# Altium PCB Copy of master.PcbDoc (part 4 of 7) (continued)
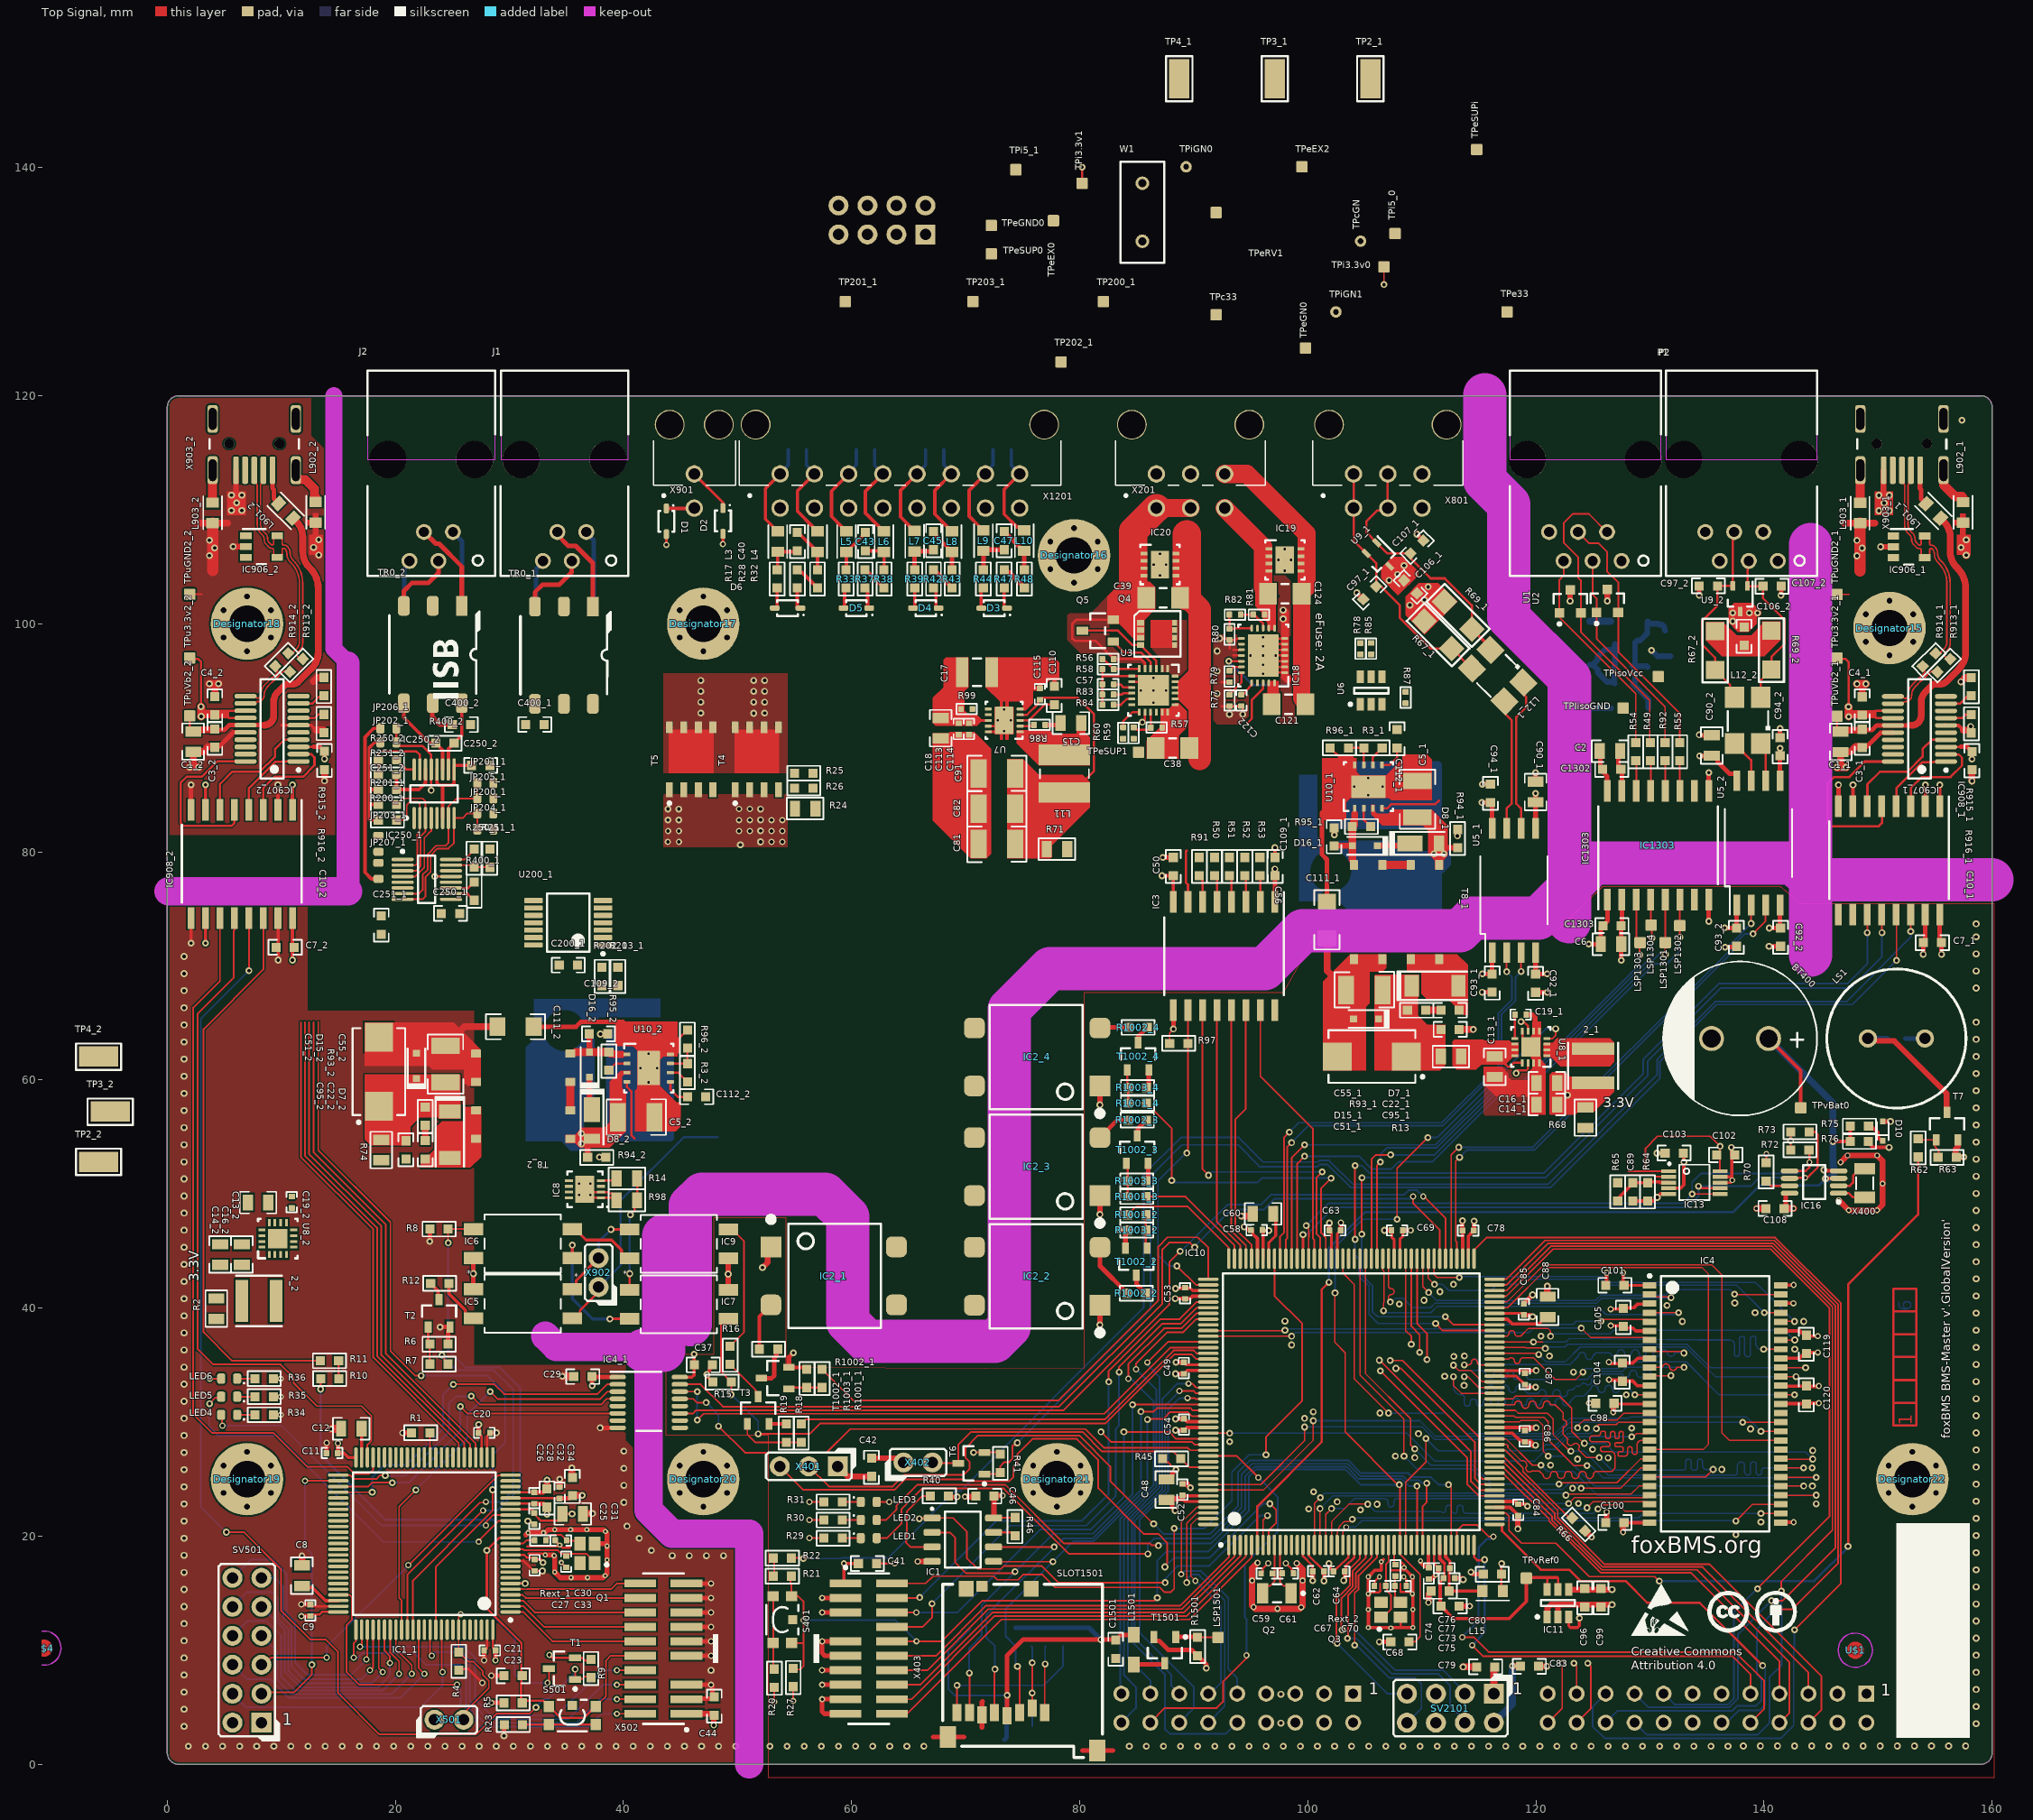
[diagram p0: Top Signal view]
## Nets (pads, with @x,y where several pads share a name; then routed paths per layer and width w, separated by ;. In a path a pad name is that pad's centre, name@x,y a point inside that pad or via, vN(x,y) a via of type N, cw(c..) or ccw(c..) an arc to the next point about the centre after c; other vN are vias at no path point) (continued)
  Bottom Signal w0.152: v1(22.259,34.07) 28.089,34.07 29.62,32.54 29.62,28.192 28.519,27.09 v1(28.519,24.07)
BMS-INTERFACE_1_SPI_CS: IC1_1.29 U200_2.4 U200_2.5 | length 44.1
  Top Signal w0.152: 12.813,65.077 12.813,53.681 19.141,47.353 19.141,36.026 27.043,28.125 IC1_1.29@27.043,26.904
BMS-INTERFACE_1_SPI_MISO: IC1_1.31 IC250_3.3 IC250_4.3 R201_2.1 | length 44
  Top Signal w0.152: 12.068,65.077 12.068,53.367 18.393,47.043 18.393,35.809 26.043,28.159 IC1_1.31@26.043,26.904
BMS-INTERFACE_1_SPI_MOSI: IC1_1.32 IC250_3.2 IC250_4.2 R200_2.1 | length 43.9
  Top Signal w0.152: 11.711,65.077 11.711,53.236 18.047,46.9 18.047,35.666 25.542,28.171 IC1_1.32@25.542,26.904
BMS-INTERFACE_1_SPI_SCK: IC1_1.30 IC250_3.4 IC250_4.4 | length 44
  Top Signal w0.152: 12.424,65.077 12.424,53.532 18.76,47.196 18.76,35.869 26.542,28.086 IC1_1.30@26.542,26.904
BOOT_0_MCU_0: IC10.166 R45.2 T6.3 X402.2 | length 27.6
  Top Signal w0.152: X402.2@67.088,26.465 67.163,26.39 T6.3@69.347,26.39 69.347,28 70.487,29.14 80.252,29.14 81.964,27.428 88.222,27.428 R45.2@88.86,26.79 89.616,26.034 IC10.166@91.273,26.034
BOOT_0_MCU_1: IC1_1.94 R4.2 T1.3 X501.2 | length 25
  Top Signal w0.152: R4.2@25.559,9.735 R4.2@25.559,9.835 ; v2(25.717,13.163) 25.542,12.988 IC1_1.94@25.542,11.804 25.542,10.203 25.559,10.187 R4.2@25.559,9.835 ; X501.2@25.97,3.905 26.276,4.211 26.276,4.769 28.193,6.686 28.193,7.312 27.674,7.831 27.674,8.163 26.828,9.01 26.384,9.01 R4.2@25.559,9.835 ; v2(33.337,7.13) 33.457,7.25 T1.3@33.457,8.4
  Bottom Signal w0.152: v2(25.717,13.163) 28.416,13.163 30.48,11.099 30.48,7.924 31.274,7.13 v2(33.337,7.13)
C\S\_\F\W\_1: IC250_1.5 TP200_1.1 U200_1.8
C\S\_\F\W\_2: IC250_3.5 TP200_2.1 U200_2.8
C\S\_\R\V\_1: IC250_2.5 TP201_1.1 U200_1.11
C\S\_\R\V\_2: IC250_4.5 TP201_2.1 U200_2.11
CAN_0_H: C97_1.1 L12_1.3 R67_1.2 U9_1.2 X801.1 X801.4 | length 22.7
  Top Signal w0.2: X801.1@104.01,113.14 X801.4@104.01,110.14 104.01,107.292 U9_1.2@105.121,106.181 105.987,105.314 C97_1.1@105.987,103.276 106.406,103.276 108.047,101.636 108.047,100.522 110.733,97.836 R67_1.2@112.62,97.836 114.375,96.081 L12_1.3@114.392,96.081
CAN_0_L: C107_1.1 L12_1.2 R69_1.1 U9_1.1 X801.2 X801.5 | length 23.1
  Top Signal w0.2: X801.2@107.01,113.14 X801.5@107.01,110.14 106.819,109.949 106.099,109.949 105.139,108.989 105.139,108.001 U9_1.1@106.04,107.1 106.979,106.161 C107_1.1@109.002,106.161 109.002,105.744 110.764,103.981 112.014,103.981 114.388,101.607 R69_1.1@114.388,99.534
  Top Signal w0.305: R69_1.1@114.388,99.534 116.018,97.904 L12_1.2@116.018,97.707
CAN_0_MCU_1_RX: IC1_1.91 SV501.4 | length 24.4
  Top Signal w0.152: IC1_1.91@24.043,11.604 24.043,8.17 v2(24.13,8.083)
  Bottom Signal w0.152: SV501.4@5.715,6.19 6.913,4.992 22.231,4.992 24.13,6.891 v2(24.13,8.083)
CAN_0_MCU_1_TX: IC1_1.52 SV501.3 | length 25.5
  Top Signal w0.152: SV501.3@8.255,6.19 8.369,6.304 11.111,6.304 12.672,7.865 v1(12.672,8.73) ; v2(12.065,24.849) 14.988,24.849 IC1_1.52@14.993,24.854 IC1_1.52@14.792,24.854
  Bottom Signal w0.152: v2(12.065,24.849) 12.065,19.058 12.672,18.45 v1(12.672,8.73)
CAN_0_RX: IC10.122 U5_1.3 | length 42.3
  Top Signal w0.152: IC10.122@98.072,44.334 98.072,45.99 98.183,46.101 98.183,54.097 v1(98.582,54.497) ; v1(118.696,69.517) 118.699,69.52 U5_1.3@118.699,71.165
  Bottom Signal w0.152: v1(98.582,54.497) 100.085,56 111.859,56 116.968,61.108 116.968,65.746 118.213,66.991 118.213,69.034 v1(118.696,69.517)
CAN_0_TRANS_STANDBY_CONTROL: IC10.141 | length 0
  Top Signal w0.152: IC10.141@91.072,38.534 IC10.141@91.09,38.516
CAN_0_TX: IC10.123 U5_1.2 | length 42.8
  Top Signal w0.152: IC10.123@97.573,44.334 97.573,46.265 97.913,46.605 97.913,54.953 v1(98.38,55.419) ; v1(117.429,69.496) U5_1.2@117.429,71.165
  Bottom Signal w0.152: v1(98.38,55.419) 99.212,56.252 111.755,56.252 116.716,61.213 116.716,65.85 117.905,67.04 117.905,69.02 v1(117.429,69.496)
CAN_1_H: C97_2.1 L12_2.3 P1.4 R67_2.2 U9_2.2 | length 17.6
  Top Signal w0.2: P1.4@137.389,108.052 137.258,107.921 U9_2.2@137.258,103.318 C97_2.1@135.919,103.318 135.919,101.599 134.569,100.25 134.569,98.174 135.712,97.031 R67_2.2@135.712,95.953 137.004,94.661 137.004,93.966 L12_2.3@137.417,93.553
CAN_1_L: C107_2.1 L12_2.2 P1.3 R69_2.1 U9_2.1 | length 15
  Top Signal w0.2: P1.3@138.659,105.512 138.558,105.411 U9_2.1@138.558,103.318 138.578,103.298 C107_2.1@139.904,103.298 139.904,102.246 141.807,100.343 141.807,98.246 140.646,97.085 R69_2.1@140.646,95.99 139.717,95.061 L12_2.2@139.717,93.553
CAN_1_RX: IC10.92 U5_2.3 | length 46.2
  Top Signal w0.152: IC10.92@113.073,44.334 113.073,45.786 112.966,45.893 112.966,52.879 v1(113.304,53.217) ; v1(139.033,72.815) 139.297,73.079 139.297,73.102 140.137,73.942 U5_2.3@140.137,75.333
  Bottom Signal w0.152: v1(113.304,53.217) 113.932,53.845 119.845,53.845 137.336,71.336 137.336,71.833 138.319,72.815 v1(139.033,72.815)
CAN_1_TRANS_STANDBY_CONTROL: IC10.165
CAN_1_TX: IC10.93 U5_2.2 | length 45.7
  Top Signal w0.152: IC10.93@112.572,44.334 112.572,53.438 v1(113.232,54.097) ; v1(138.867,73.72) U5_2.2@138.867,75.333
  Bottom Signal w0.152: v1(113.232,54.097) 119.741,54.097 137.084,71.44 137.084,71.937 v1(138.867,73.72)
COM_EXT_ISO_EN: R89.1 U4.5 U6.4
CONTACTOR_0_COIL_POS: D1001_1.1 IC2_1.3 X1201.9
CONTACTOR_0_CONTROL: IC10.133 R1001_1.2 | length 46.8
  Top Signal w0.152: R1001_1.2@57.415,34.631 60.146,31.901 78.119,31.901 86.89,40.672 86.89,45.389 87.704,46.202 90.348,46.202 91.273,45.278 IC10.133@91.273,42.534
CONTACTOR_0_FEEDBACK: IC3.12 IC10.130 | length 22.4
  Top Signal w0.152: IC3.12@92.028,66.111 92.028,47.568 94.063,45.533 94.063,44.543 IC10.130@94.072,44.534
CONTACTOR_0_FEEDBACK_EXT: R28.1 R32.1 | length 2.4
  Top Signal w0.3: R28.1@55.239,104.737 55.489,104.487 55.657,104.487 R32.1@57.007,103.137
CONTACTOR_1_COIL_POS: D1001_2.1 IC2_2.3 X1201.11
CONTACTOR_1_CONTROL: IC10.132 R1001_2.2 | length 11.6
  Top Signal w0.152: R1001_2.2@84.204,48.184 84.946,48.925 89.43,48.925 93.057,45.298 93.057,44.35 IC10.132@93.073,44.334
CONTACTOR_1_FEEDBACK: IC3.13 IC10.129 | length 22.1
  Top Signal w0.152: IC3.13@93.298,66.111 93.298,46.76 94.573,45.485 IC10.129@94.573,44.534
CONTACTOR_1_FEEDBACK_EXT: R37.1 R38.1 | length 2.3
  Top Signal w0.3: R37.1@61.176,104.737 61.426,104.487 61.488,104.487 R38.1@62.838,103.137
CONTACTOR_2_COIL_POS: D1001_3.1 IC2_3.3 X1201.13
CONTACTOR_2_CONTROL: IC10.131 R1001_3.2 | length 10.7
  Top Signal w0.152: R1001_3.2@85.805,49.779 89.286,49.779 93.572,45.492 IC10.131@93.572,44.334
CONTACTOR_2_FEEDBACK: IC3.14 IC10.128 | length 22.8
  Top Signal w0.152: IC3.14@94.568,66.111 94.568,57.467 93.635,56.533 93.635,46.973 95.073,45.535 IC10.128@95.073,44.334
CONTACTOR_2_FEEDBACK_EXT: R42.1 R43.2 | length 2.3
  Top Signal w0.4: R42.1@67.177,104.75 67.377,104.55 67.409,104.55 R43.2@68.809,103.15
CONTACTOR_3_COIL_POS: D1001_4.1 IC2_4.3 X1201.15
CONTACTOR_3_CONTROL: IC10.115 R1001_4.2 | length 29.5
  Top Signal w0.152: R1001_4.2@85.864,57.963 88.062,55.766 v1(88.062,51.181) ; IC10.115@101.573,44.334 101.573,46.173 101.159,46.586 101.159,50.511 v1(102.038,51.39)
  Bottom Signal w0.152: v1(88.062,51.181) 88.183,51.181 88.366,50.998 95.568,50.998 95.96,51.39 v1(102.038,51.39)
CONTACTOR_3_FEEDBACK: IC3.15 IC10.117 | length 23.5
  Top Signal w0.152: IC3.15@95.838,66.111 95.838,60.315 100.457,55.696 100.457,46.101 100.573,45.985 IC10.117@100.573,44.534
CONTACTOR_3_FEEDBACK_EXT: R47.2 R48.1 | length 2.4
  Top Signal w0.4: R47.2@73.373,104.75 73.573,104.55 73.775,104.55 R48.1@75.145,103.181
CONTACTOR_5_CONTROL: IC10.111
CONTACTOR_5_FEEDBACK: IC10.150
CONTACTOR_6_CONTROL: IC10.139 JP2201.17 | length 40.1
  Top Signal w0.152: v2(84.257,33.796) 84.257,35.078 87.4,38.221 88.925,38.221 90.238,39.534 IC10.139@91.273,39.534
  Bottom Signal w0.152: JP2201.17@83.65,6.19 83.555,6.285 83.555,21.532 86.482,24.459 86.482,31.845 84.531,33.796 v2(84.257,33.796)
CONTACTOR_6_FEEDBACK: IC10.140 JP2201.18 | length 42.7
  Top Signal w0.152: v2(84.938,34.642) 84.938,35.116 87.705,37.884 89.086,37.884 90.236,39.034 IC10.140@91.273,39.034
  Bottom Signal w0.152: JP2201.18@83.65,3.65 84.933,4.933 84.933,6.752 83.872,7.813 83.872,21.492 86.734,24.354 86.734,32.846 v2(84.938,34.642) ; v2(84.938,34.642) 84.863,34.717 84.938,34.791 v2(84.938,34.642)
CONTACTOR_7_CONTROL: IC10.144 JP2201.15 | length 37.3
  Top Signal w0.152: v2(85.937,35.239) 87.731,37.034 IC10.144@91.072,37.034
  Bottom Signal w0.152: v2(85.937,35.239) 85.937,35.034 86.987,33.984 86.987,24.25 84.229,21.492 84.229,9.309 86.19,7.348 JP2201.15@86.19,6.19
CONTACTOR_7_FEEDBACK: IC10.164 JP2201.16 | length 34.8
  Top Signal w0.152: JP2201.16@86.19,3.65 87.468,4.928 92.013,4.928 92.572,5.487 92.572,7.239 94.615,9.282 v2(94.615,9.55) ; IC10.164@91.073,27.034 IC10.164@91.273,27.034 93.774,27.034 v2(95.668,25.14)
  Bottom Signal w0.152: v2@94.615,9.754 94.615,12.742 94.467,12.89 94.467,17.508 97.35,20.39 97.35,23.458 v2(95.668,25.14)
CONTACTOR_8_CONTROL: IC10.44 JP2202.9 | length 37.2
  Top Signal w0.152: v2(114.403,10.439) 115.368,9.474 137.248,9.474 138.812,7.91 JP2202.9@138.812,6.19
  Top Signal w0.2: IC10.44@114.572,19.234 114.572,18.168 114.847,17.893 115.451,17.893 v1(115.496,17.938)
  Bottom Signal w0.2: v2(114.403,10.439) 115.496,11.533 v1(115.496,17.938)
CONTACTOR_8_FEEDBACK: IC10.45 JP2202.12 | length 37.6
  Top Signal w0.2: IC10.45@116.372,21.034 116.976,21.034 117.022,20.988 117.022,20.46 120.424,17.058 122.912,17.058 123.903,16.068 127.846,16.068 129.75,14.164 134.363,14.164 v1(139.878,8.65)
  Bottom Signal w0.15: JP2202.12@135.813,3.191 JP2202.12@136.272,3.65 136.695,3.65 137.77,4.724 139.607,4.724 140.106,5.224 140.106,8.421 v1(139.878,8.65)
CONTACTOR_gnd: C38.1 C39.1 C57.2 D1.2 D2.2 IC20.5 IC20.6 IC20.7 IC20.8 R24.1 R58.1 R59.1 R60.1 R83.1 R84.1 SV901.4 SV901.6 SV901.8 T4.1 T4.2 T4.3 T5.1 T5.2 T5.3 U3.7 U3.8 U3.20 U3.21 U3.22 U3.23 U3.25 W1.1 X201.1 X201.2 | length 32.3
  Top Signal w0.2: R84.1@81.987,92.889 81.987,95.443 ; R58.1@81.987,96.012 81.987,95.443 ; U3.8@84.567,94.916 85.217,94.916 U3.25@86.149,93.984 ; U3.25@86.149,93.848 U3.25@86.149,93.984 ; 81.987,95.443 82.014,95.416 U3.7@84.567,95.416 84.978,95.416 84.986,95.409 85.217,95.409 86.149,94.477 U3.25@86.149,93.984
  Top Signal w0.203: D1.2@43.754,107.846 D1.2@43.78,107.873
  Top Signal w0.254: v2(43.754,106.92) D1.2@43.754,107.846 ; v2(48.717,106.985) D2.2@48.717,107.892
  Top Signal w2: C39.1@89.383,102.42 90.526,101.277 90.526,88.162
  Top Signal w2.5: C39.1@89.383,102.42 89.383,107.841
CONTACTOR_SUPPLY_FAULT: IC3.11 IC10.116 | length 32.5
  Top Signal w0.152: IC3.11@90.758,66.111 90.758,52.185 v1(91.296,51.646) ; IC10.116@101.072,44.534 101.072,46.185 100.75,46.508 100.75,51.433 v1(101.26,51.943)
  Bottom Signal w0.152: v1(91.296,51.646) 91.593,51.943 v1(101.26,51.943)
CONTACTOR_SUPPLY_FAULT_EXT: IC3.6 R91.1 U3.14 | length 3.4
  Top Signal w0.2: v1(85.483,91.365) 85.717,91.6 U3.14@85.717,92.266 ; R91.1@90.483,77.913 90.683,77.713 90.683,77.554 90.758,77.479 IC3.6@90.758,75.611
CONTACTOR_SUPPLY_SHDN: IC3.10 IC10.134 R97.2 | length 28.1
  Top Signal w0.152: v1@88.46,43.691 v1(88.518,43.691) 88.539,43.691 90.196,42.034 IC10.134@91.273,42.034 ; v1(89.382,53.594) 89.467,53.679 89.467,53.889 89.485,53.907 R97.2@89.485,63.208 89.488,63.211 IC3.10@89.488,66.111
  Bottom Signal w0.152: v1(88.518,43.691) 87.851,43.691 86.86,44.681 86.86,51.148 89.306,53.594 v1(89.382,53.594)
CONTACTOR_SUPPLY_SHDN_EXT: IC3.7 U3.12 | length 4.6
  Top Signal w0.2: 89.383,80.124 89.306,80.047 89.306,77.312 89.488,77.13 IC3.7@89.488,75.611
CONTACTORS_COMMON_NEG: D1001_1.2 D1001_2.2 D1001_3.2 D1001_4.2 T4.5 T4.6 T4.7 T4.8 T5.5 T5.6 T5.7 T5.8 X1201.10 X1201.12 X1201.14 X1201.16
  other v1: 51.413,92.151 46.773,92.177 52.378,92.177 46.773,93.129 51.413,93.129 52.378,93.129 46.773,94.082 51.413,94.082 52.378,94.082 46.773,95.034 51.413,95.034 52.378,95.034
CS_1: TP202_1.1 U200_1.6 U200_1.10 U200_1.13
CS_2: TP202_2.1 U200_2.6 U200_2.10 U200_2.13
D\I\R\_1: TP203_1.1 U200_1.3 U200_1.12
D\I\R\_2: TP203_2.1 U200_2.3 U200_2.12
D_1_N: IC906_1.5 R913_1.2 X903_1.2 | length 20.6
  Top Signal w0.14: X903_1.2@152.871,113.448 152.871,112.669 cw(c152.437,112.669) 152.744,112.363 ccw(c153.05,112.056) 152.617,112.056 152.617,108.785 ccw(c153.669,108.785) 152.925,108.041 153.059,107.908 cw(c152.637,107.486) 153.233,107.486 153.233,107.483 ccw(c153.821,107.483) 153.405,107.067 153.536,106.936 ccw(c153.635,107.035) 153.635,106.895 ; 153.635,106.895 ccw(c153.635,107.035) 153.734,106.936 ccw(c153.635,107.035) 153.775,107.035 153.775,107.377 cw(c153.997,107.377) 153.84,107.534 cw(c153.997,107.377) 153.997,107.599 IC906_1.5@154.182,107.599 ; IC906_1.5@154.082,107.699 154.12,107.699 cw(c154.12,107.306) 154.258,107.674 cw(c154.12,107.306) 154.398,107.584 cw(c154.12,107.306) 154.513,107.306 154.513,107.035 ccw(c154.652,107.035) 154.554,106.936 ccw(c154.652,107.035) 154.652,106.895 154.654,106.895 ; 154.654,106.895 cw(c154.654,106.467) 154.957,106.77 154.98,106.746 cw(c154.393,106.159) 155.224,106.159 ccw(c156.055,106.159) 155.467,105.571 155.492,105.547 cw(c153.491,103.546) 156.32,103.546 156.32,98.291 cw(c155.44,98.291) 156.062,97.668 155.882,97.488 ccw(c156.071,97.3) 155.804,97.3 ccw(c156.071,97.3) 155.882,97.111 156.085,96.909 ccw(c156.266,97.089) R913_1.2@156.266,96.834
  Top Signal w0.152: IC906_1.5@154.12,107.699 154.282,107.699 154.258,107.674 IC906_1.5@154.182,107.599
D_1_P: IC906_1.4 R914_1.2 X903_1.3 | length 20.2
  Top Signal w0.14: X903_1.3@152.071,113.448 152.071,112.669 ccw(c152.504,112.669) 152.198,112.363 cw(c151.891,112.056) 152.325,112.056 152.325,108.664 ccw(c153.377,108.664) 152.633,107.92 152.766,107.787 cw(c152.345,107.365) 152.941,107.365 ccw(c153.537,107.365) 153.116,106.944 153.373,106.687 ccw(c153.575,106.889) 153.575,106.603 ; 153.575,106.603 153.635,106.603 ; 153.635,106.603 cw(c153.635,106.463) 153.734,106.562 cw(c153.635,106.463) 153.775,106.463 153.775,106.196 ccw(c154.335,106.196) IC906_1.4@153.939,105.799 ; IC906_1.4@154.082,105.799 154.12,105.799 ccw(c154.12,106.192) 154.398,105.914 ccw(c154.12,106.192) 154.513,106.192 154.513,106.463 cw(c154.652,106.463) 154.554,106.562 cw(c154.652,106.463) 154.652,106.603 cw(c154.652,106.463) 154.751,106.562 cw(c154.315,106.126) 154.932,106.126 ccw(c155.977,106.126) 155.238,105.388 155.284,105.341 cw(c153.488,103.545) 156.028,103.545 156.028,98.412 cw(c155.147,98.412) 155.77,97.789 155.535,97.554 ccw(c155.591,97.498) 155.512,97.498 cw(c155.434,97.498) 155.489,97.443 cw(c155.194,97.738) 155.194,97.321 154.982,97.321 R914_1.2@154.974,97.329
  Top Signal w0.152: IC906_1.4@154.082,105.799 153.939,105.799 IC906_1.4@154.082,105.943
D_2_N: IC906_2.5 R913_2.2 X903_2.2 | length 20.6
  Top Signal w0.14: X903_2.2@8.425,113.464 8.425,112.686 cw(c7.991,112.686) 8.298,112.379 ccw(c8.605,112.072) 8.171,112.072 8.171,108.802 ccw(c9.223,108.802) 8.479,108.058 8.613,107.924 cw(c8.191,107.503) 8.787,107.503 8.787,107.499 ccw(c9.375,107.499) 8.959,107.084 9.091,106.953 ccw(c9.189,107.051) 9.189,106.912 ccw(c9.189,107.051) 9.288,106.953 ccw(c9.189,107.051) 9.329,107.051 9.329,107.393 cw(c9.551,107.393) 9.394,107.551 cw(c9.551,107.393) 9.551,107.616 IC906_2.5@9.737,107.616 ; IC906_2.5@9.637,107.716 9.674,107.716 cw(c9.674,107.323) 9.812,107.691 cw(c9.674,107.323) 9.952,107.601 cw(c9.674,107.323) 10.067,107.323 10.067,107.051 ccw(c10.206,107.051) 10.108,106.953 ccw(c10.206,107.051) 10.206,106.912 10.208,106.912 cw(c10.208,106.484) 10.511,106.786 10.535,106.762 cw(c9.947,106.175) 10.778,106.175 ccw(c11.609,106.175) 11.021,105.587 11.046,105.563 cw(c9.045,103.562) 11.874,103.562 11.874,98.307 cw(c10.994,98.307) 11.617,97.684 11.437,97.504 ccw(c11.625,97.316) 11.359,97.316 ccw(c11.625,97.316) 11.437,97.128 11.639,96.925 ccw(c11.82,97.106) R913_2.2@11.82,96.85
  Top Signal w0.152: IC906_2.5@9.674,107.716 9.837,107.716 9.812,107.691 IC906_2.5@9.737,107.616
D_2_P: IC906_2.4 R914_2.2 X903_2.3 | length 20.2
  Top Signal w0.14: X903_2.3@7.625,113.464 7.625,112.686 ccw(c8.058,112.686) 7.752,112.379 cw(c7.445,112.072) 7.879,112.072 7.879,108.681 ccw(c8.931,108.681) 8.187,107.937 8.321,107.803 ; 8.321,107.803 cw(c7.899,107.382) 8.495,107.382 ccw(c9.091,107.382) 8.67,106.96 8.927,106.703 ccw(c9.129,106.905) 9.129,106.62 9.189,106.62 cw(c9.189,106.48) 9.288,106.579 cw(c9.189,106.48) 9.329,106.48 9.329,106.212 ccw(c9.889,106.212) IC906_2.4@9.493,105.816 ; IC906_2.4@9.637,105.816 9.674,105.816 ccw(c9.674,106.208) 9.952,105.931 ccw(c9.674,106.208) 10.067,106.208 10.067,106.48 cw(c10.206,106.48) 10.108,106.579 cw(c10.206,106.48) 10.206,106.62 cw(c10.206,106.48) 10.305,106.579 cw(c9.869,106.143) 10.486,106.143 ccw(c11.531,106.143) 10.792,105.404 ; R914_2.2@10.528,97.345 10.536,97.337 10.748,97.337 ccw(c10.748,97.755) 11.043,97.459 ccw(c10.988,97.515) 11.066,97.515 cw(c11.145,97.515) 11.089,97.57 11.324,97.805 ccw(c10.702,98.428) 11.582,98.428 11.582,103.561 ccw(c9.042,103.561) 10.838,105.357 10.792,105.404
  Top Signal w0.152: IC906_2.4@9.637,105.816 9.493,105.816 IC906_2.4@9.637,105.959
DATA_STORAGE_SPI_EEPROM_CS: IC1.1 IC10.7 | length 39.9
  Top Signal w0.15: v1(65.939,21.534) 65.971,21.566 67.022,21.566 IC1.1@67.055,21.599 68.913,21.599 70.099,20.412 70.099,18.083 71.055,17.127 73.101,17.127 73.367,17.394 74.119,17.394 74.123,17.398 76.647,17.398 78.154,15.891 78.193,15.93 v1(87.492,15.93) ; IC10.7@96.073,19.234 96.073,21.417 v1(96.463,21.807)
  Bottom Signal w0.15: v1(87.492,15.93) 87.492,16.276 88.61,17.394 91.373,17.394 95.787,21.807 v1(96.463,21.807)
DATA_STORAGE_SPI_Memory_NSS: IC10.11
DATA_STORAGE_SPI_Memorycard_NSS: LSP1502.1 R1506.1 SLOT1501.2 | length 8.4
  Top Signal w0.152: SLOT1501.2@75.831,4.931 v1(75.831,8.894)
  Bottom Signal w0.152: R1506.1@75.755,10.364 75.831,10.288 v1(75.831,8.894) ; LSP1502.1@75.831,3.341 v1(75.831,6.256)
DATA_STORAGE_SPI_MISO: IC1.2 IC10.155 LSP1505.1 R1507.1 SLOT1501.7 | length 51.7
  Top Signal w0.152: IC1.2@67.055,20.329 68.626,20.329 69.067,19.888 69.067,17.72 70.037,16.75 74.185,16.75 v1(74.331,16.896) ; v1(70.319,8.006) 70.331,7.993 SLOT1501.7@70.331,4.531 ; v1(84.632,31.534) IC10.155@91.273,31.534
  Bottom Signal w0.152: v1(70.319,8.006) 70.319,10.192 R1507.1@70.389,10.263 71.403,11.276 71.403,13.933 77.684,20.215 81.167,20.215 84.632,23.679 v1(84.632,31.534)
DATA_STORAGE_SPI_MOSI: IC1.5 IC10.157 LSP1503.1 R1504.1 SLOT1501.3 | length 43.3
  Top Signal w0.152: IC1.5@72.455,17.789 72.483,17.761 v1(77.65,17.761) ; v1(74.534,8.593) 74.731,8.396 SLOT1501.3@74.731,4.531 ; v1@85.937,30.272 87.338,30.272 87.943,30.876 89.487,30.876 89.83,30.534 IC10.157@91.273,30.534
  Bottom Signal w0.152: R1504.1@74.372,10.331 74.372,8.876 74.534,8.714 v1(74.534,8.593) ; R1504.1@74.372,10.364 73.508,11.229 73.508,13.618 v1(77.65,17.761) 79.436,19.547 81.213,19.547 85.937,24.271 v1(85.937,30.238)
DATA_STORAGE_SPI_SCK: IC1.6 IC10.156 LSP1504.1 R1505.2 SLOT1501.5 | length 45.3
  Top Signal w0.152: IC1.6@72.467,19.071 IC1.6@72.455,19.059 v1(77.753,19.059) ; SLOT1501.5@72.531,4.531 72.531,8.303 v1(72.565,8.337) ; v1(85.37,30.925) 86.482,30.925 86.8,31.242 89.692,31.242 89.9,31.034 IC10.156@91.273,31.034
  Bottom Signal w0.152: v1(72.565,8.337) R1505.2@72.565,10.346 71.803,11.108 71.803,13.061 78.54,19.799 81.108,19.799 85.37,24.061 v1(85.37,30.925)
DEBUG_LED_0_MCU_0: IC10.35 LED1.2 | length 64.9
  Top Signal w0.15: LED1.2@62.2,19.829 63.093,19.829 64.379,21.115 64.379,22.388 66.173,24.182 73.339,24.182 79.077,18.444 v1(85.979,18.444) ; IC10.35@110.073,19.234 110.073,22.626 110.422,22.976 v1(110.422,24.64)
  Bottom Signal w0.15: v1(85.979,18.444) 85.979,19.27 86.508,19.799 91.474,19.799 94.179,22.503 94.179,25.395 95.126,26.342 103.509,26.342 104.582,25.269 108.341,25.269 108.708,24.902 109.78,24.902 110.011,24.671 110.391,24.671 v1(110.422,24.64)
DEBUG_LED_0_MCU_1: IC1_1.18 LED4.2 | length 30.6
  Top Signal w0.152: LED4.2@4.726,30.643 4.782,30.587 4.782,29.747 v2(4.839,29.69) ; v2(27.94,20.937) 27.94,21.242 28.552,21.854 IC1_1.18@30.092,21.854 IC1_1.18@30.292,21.854
  Bottom Signal w0.152: v2(4.839,29.69) 10.006,29.69 18.759,20.937 v2(27.94,20.937)
DEBUG_LED_1_MCU_0: IC10.34 LED2.2 | length 62.1
  Top Signal w0.15: LED2.2@62.2,21.417 63.015,21.417 63.929,22.331 63.929,22.657 65.789,24.517 73.468,24.517 78.605,19.379 86.13,19.379 86.299,19.211 86.718,19.211 86.718,19 v1(86.89,19.172) ; IC10.34@109.573,19.234 v1(109.573,24.4) ; v1(86.89,19.172) 86.966,19.249 87.042,19.172 v1(86.89,19.172)
  Bottom Signal w0.15: v1(86.89,19.172) 87.097,19.379 91.523,19.379 94.51,22.366 94.51,25.249 95.353,26.092 103.405,26.092 104.479,25.019 108.238,25.019 108.857,24.4 v1(109.573,24.4)
DEBUG_LED_1_MCU_1: IC1_1.17 LED5.2 | length 34.9
  Top Signal w0.152: v1(3.706,31.624) 4.237,32.155 4.651,32.155 LED5.2@4.726,32.23 ; v2(27.295,19.505) 27.295,19.581 29.068,21.354 IC1_1.17@30.092,21.354 IC1_1.17@30.293,21.354
  Bottom Signal w0.152: v1(3.706,31.624) 3.665,31.583 3.665,29.615 4.452,28.827 9.618,28.827 18.94,19.505 v2(27.295,19.505) v2@27.28,19.489
DIR_1: R202_1.1 R203_1.2 U200_1.1 U200_1.2 U200_1.9
DIR_2: R202_2.1 R203_2.2 U200_2.1 U200_2.2 U200_2.9
EN-BACKUP_1: IC250_1.1 IC250_2.1 JP203_1.1 JP207_1.2
EN-BACKUP_2: IC250_3.1 IC250_4.1 JP203_2.1 JP207_2.2
EXT_0.FAULT: IC18.22 R99.1 U7.7 | length 4.1
  Top Signal w0.2: 94.69,91.297 95.089,91.697 95.089,93.334 96.082,94.327 IC18.22@96.082,94.817
EXT_0.SHDN: IC18.14
EXT_0_GND: C5_1.1 C5_2.1 C17.1 C18.1 C24_1.2 C24_2.2 C35_1.1 C35_2.1 C36_1.2 C36_2.2 C50.2 C56.2 C72.1 C81.1 C82.1 C90_1.2 C91.1 C94_1.1 C97_1.2 C106_1.2 C107_1.2 C110.1 C111_1.2 C111_2.2 C112_1.2 C112_2.2 C113.1 C114.1 C115.1 C121.1 C124.1 D3.2 D4.2 D5.2 D6.2 IC3.8 IC18.17 IC19.5 IC19.6 IC19.7 IC19.8 R17.2 R33.2 R39.2 R44.2 R96_1.1 R96_2.1 SV901.2 TP4_1.1 TP4_2.1 TPeGN0.1 TPeGND0.1 U4.4 U4.6 U5_1.5 U6.2 U7.5 U7.9 U7.10 U7.11@73.373,91.526 U9_1.3 U10_1.8 U10_1.9@105.306,85.722 U10_2.8 U10_2.9@42.214,61.044 W1.2 X201.3 X801.6 | length 86.4
  Top Signal w0.2: U10_2.9@42.214,61.044 42.214,61.326 43.132,62.244 U10_2.8@44.114,62.244 44.595,62.244 44.803,62.451 44.803,63.576 R96_2.1@45.612,64.385 ; U7.10@71.973,90.526 71.978,90.53 72.648,90.53 73.373,91.255 U7.11@73.373,91.526 72.873,91.026 U7.9@71.973,91.026 ; v1(93.063,96.717) IC18.17@94.182,96.717 ; R96_1.1@101.964,89.119 102.773,88.31 103.899,88.31 104.106,88.103 U10_1.8@104.106,87.622 104.106,86.639 105.023,85.722 U10_1.9@105.306,85.722
  Top Signal w0.3: D6.2@53.26,101.375 53.396,101.375 53.471,101.45 R17.2@53.471,103.137 ; D5.2@59.151,101.435 59.376,101.435 59.376,103.05 R33.2@59.514,103.188 ; D4.2@65.374,101.435 65.532,101.435 R39.2@65.532,103.137 R39.2@65.532,103.15 ; D3.2@71.134,101.435 71.359,101.435 71.359,103.082 R44.2@71.552,103.275
  Top Signal w0.305: v1(87.217,77.913) C50.2@88.2,77.913 ; C50.2@88.2,78.112 88.399,77.913 C50.2@88.2,77.913 ; IC3.8@88.218,75.611 88.2,75.628 C50.2@88.2,77.913 ; v1(97.119,80.365) 97.133,80.352 C56.2@97.133,79.513
  Top Signal w0.4: 32.833,64.673 35.828,64.673 36.252,65.097 39.952,65.097 40.264,64.785 ; 75.499,94.358 75.52,94.338 C115.1@76.51,94.338 76.51,95.074 ; C110.1@77.768,94.511 77.768,95.541 77.865,95.639 ; 101.564,83.772 101.252,83.46 101.252,79.76 101.676,79.336 101.676,76.341 ; v1(104.29,102.711) C97_1.2@104.856,102.145 ; C106_1.2@108.421,103.8 C106_1.2@108.436,103.8 ; v1(109.567,107.858) C107_1.2@110.133,107.293 ; v1(115.313,85.931) C94_1.1@116.012,85.931 ; U5_1.5@119.969,82.065 C90_1.2@119.969,84.357 v1(119.969,85.131)
  Top Signal w0.8: U9_1.3@107.172,105.049 C106_1.2@108.421,103.8
  Top Signal w1.5: C121.1@99.788,92.951 99.788,93.126 99.457,93.456 C124.1@99.457,102.633 99.457,102.758 C124.1@99.887,103.188
  Top Signal w1.6: X201.3@92.717,113.14 94.667,113.14 99.887,107.92 C124.1@99.887,103.188
  Bottom Signal w0.2: v1(93.063,96.717) 95.178,94.602 95.213,94.637 99.887,94.637
  other v1: 50.25,80.62 52.022,80.875 52.022,81.853 43.902,82.793 44.855,82.793 52.022,82.806 43.902,83.758 44.855,83.758 52.022,83.758 107.128,103.815 107.87,104.325 108.436,105.099
  other v2: 43.89,80.875 44.855,80.875 52.967,80.875 53.933,80.875 43.902,81.828 44.855,81.828 50.123,81.828 51.075,81.828 52.98,81.828 53.933,81.828 50.123,82.793 51.075,82.793 52.98,82.793 53.933,82.793 50.123,83.758 51.075,83.758
  other v4: 42.214,59.794 41.474,61.044 42.954,61.044 42.214,62.294 105.306,84.982 104.056,85.722 106.556,85.722 105.306,86.462 73.373,90.576 72.798,91.526 73.948,91.526 73.373,92.476
EXT_0_SUPPLY: C124.2 IC18.8 IC18.9 IC19.1 IC19.2 IC19.3 IC19.4 R81.2 TPeSUPi.1 X201.6 | length 10.2
  Top Signal w0.2: IC18.9@96.582,99.617 96.582,100.165 ; IC18.8@97.082,99.617 97.082,100.276
  Top Signal w1.5: C124.2@96.079,103.186 C124.2@96.507,102.758
  Top Signal w1.6: X201.6@92.717,110.14 96.079,106.778 C124.2@96.079,103.186
EXT_2.PGOOD: U3.16
EXT_2_SUPPLY: C39.2 IC20.1 IC20.2 IC20.3 IC20.4 Q4.1 Q4.2 Q4.3 Q5.2 R56.2 U3.5 X201.4 X201.5 | length 25.7
  Top Signal w0.2: Q5.2@82.937,100.354 79.689,100.354 79.353,100.018 79.353,98.715 79.562,98.506 81.391,98.506 82.812,97.084 82.837,97.084 82.987,96.934 R56.2@82.987,96.909 85.358,96.909 85.717,96.55 U3.5@85.717,96.066
  Top Signal w1.6: X201.4@86.717,110.14 X201.5@89.717,110.14
  Top Signal w2.5: 84.679,101.056 84.679,108.102 X201.4@86.717,110.14
EXT_+3.3V_0+: C81.2 C82.2 C91.2 C115.2 L11.2 R71.2 TPe33.1 U7.4 | length 16.2
  Top Signal w0.2: U7.4@74.773,92.026 75.385,92.026 76.347,92.988 76.347,93.188 76.497,93.338 C115.2@76.51,93.338 76.66,93.488 76.78,93.488 76.803,93.511 79.826,93.511 81.247,92.089 81.247,87.091 79.619,85.463 78.918,85.463 L11.2@78.657,85.202
EXT_+3.3V_0_PG: R87.1 U6.3 U7.6
FB_EXT_0: D6.1 IC3.5 R28.2 R50.1 | length 4.8
  Top Signal w0.2: R28.2@55.239,103.137 R28.2@55.51,102.866 ; R50.1@91.813,77.913 92.028,77.698 IC3.5@92.028,75.611
  Top Signal w0.3: R28.2@55.239,103.137 55.239,101.45 55.314,101.375 D6.1@55.51,101.375
FB_EXT_1: D5.1 IC3.4 R37.2 R51.1 | length 4.2
  Top Signal w0.2: R51.1@93.143,77.913 93.298,77.758 IC3.4@93.298,75.611
  Top Signal w0.3: R37.2@61.176,103.15 R37.2@61.176,103.137 61.401,102.912 D5.1@61.401,101.435
FB_EXT_2: D4.1 IC3.3 R42.2 R52.1 | length 4.4
  Top Signal w0.2: R52.1@94.473,77.913 94.568,77.818 IC3.3@94.568,75.611
  Top Signal w0.3: R42.2@67.177,103.15 67.399,102.927 67.399,101.435 D4.1@67.624,101.435
FB_EXT_3: D3.1 IC3.2 R47.1 R53.1 | length 4
  Top Signal w0.2: D3.1@73.373,101.445 D3.1@73.384,101.435 ; R53.1@95.803,77.913 95.838,77.878 IC3.2@95.838,75.611
  Top Signal w0.3: D3.1@73.373,101.445 R47.1@73.373,103.15
FMC_MCU_0_RAM_A0: IC4.23 IC10.16 | length 34
  Top Signal w0.12: IC10.16@100.573,19.234 100.573,22.866 v1(101.092,23.385) ; v1(122.628,23.596) 122.528,23.596 122.626,23.694 128.342,23.694 129.044,24.396 IC4.23@129.966,24.396
  Bottom Signal w0.12: v1(101.092,23.385) 101.483,23.776 122.447,23.776 v1(122.628,23.596)
FMC_MCU_0_RAM_A1: IC4.24 IC10.17 | length 33.6
  Top Signal w0.12: IC10.17@101.072,19.234 v1(101.072,22.418) 100.936,22.554 v1@101.244,22.554 ; v1(122.871,22.86) 123.392,23.381 129.751,23.381 IC4.24@129.966,23.596
  Bottom Signal w0.12: v1(101.072,22.418) 102.191,23.536 119.672,23.536 120.349,22.86 v1(122.871,22.86)
FMC_MCU_0_RAM_A2: IC4.25 IC10.18 | length 33.4
  Top Signal w0.12: IC10.18@101.573,19.234 101.573,21.918 v1(102.072,22.418) ; v1(124.475,22.491) 124.992,23.009 129.753,23.009 IC4.25@129.966,22.796
  Bottom Signal w0.12: v1(102.072,22.418) 103.218,22.418 104.097,23.296 106.687,23.296 cw(c106.687,22.933) 107.051,22.933 107.051,22.791 ccw(c107.283,22.791) 107.283,22.559 ccw(c107.283,22.827) 107.551,22.827 107.551,23.032 cw(c107.815,23.032) 107.815,23.296 119.573,23.296 120.496,22.373 124.356,22.373 v1(124.475,22.491)